# KiCad board imx8x_eps_leviathan.kicad_pcb (continued)
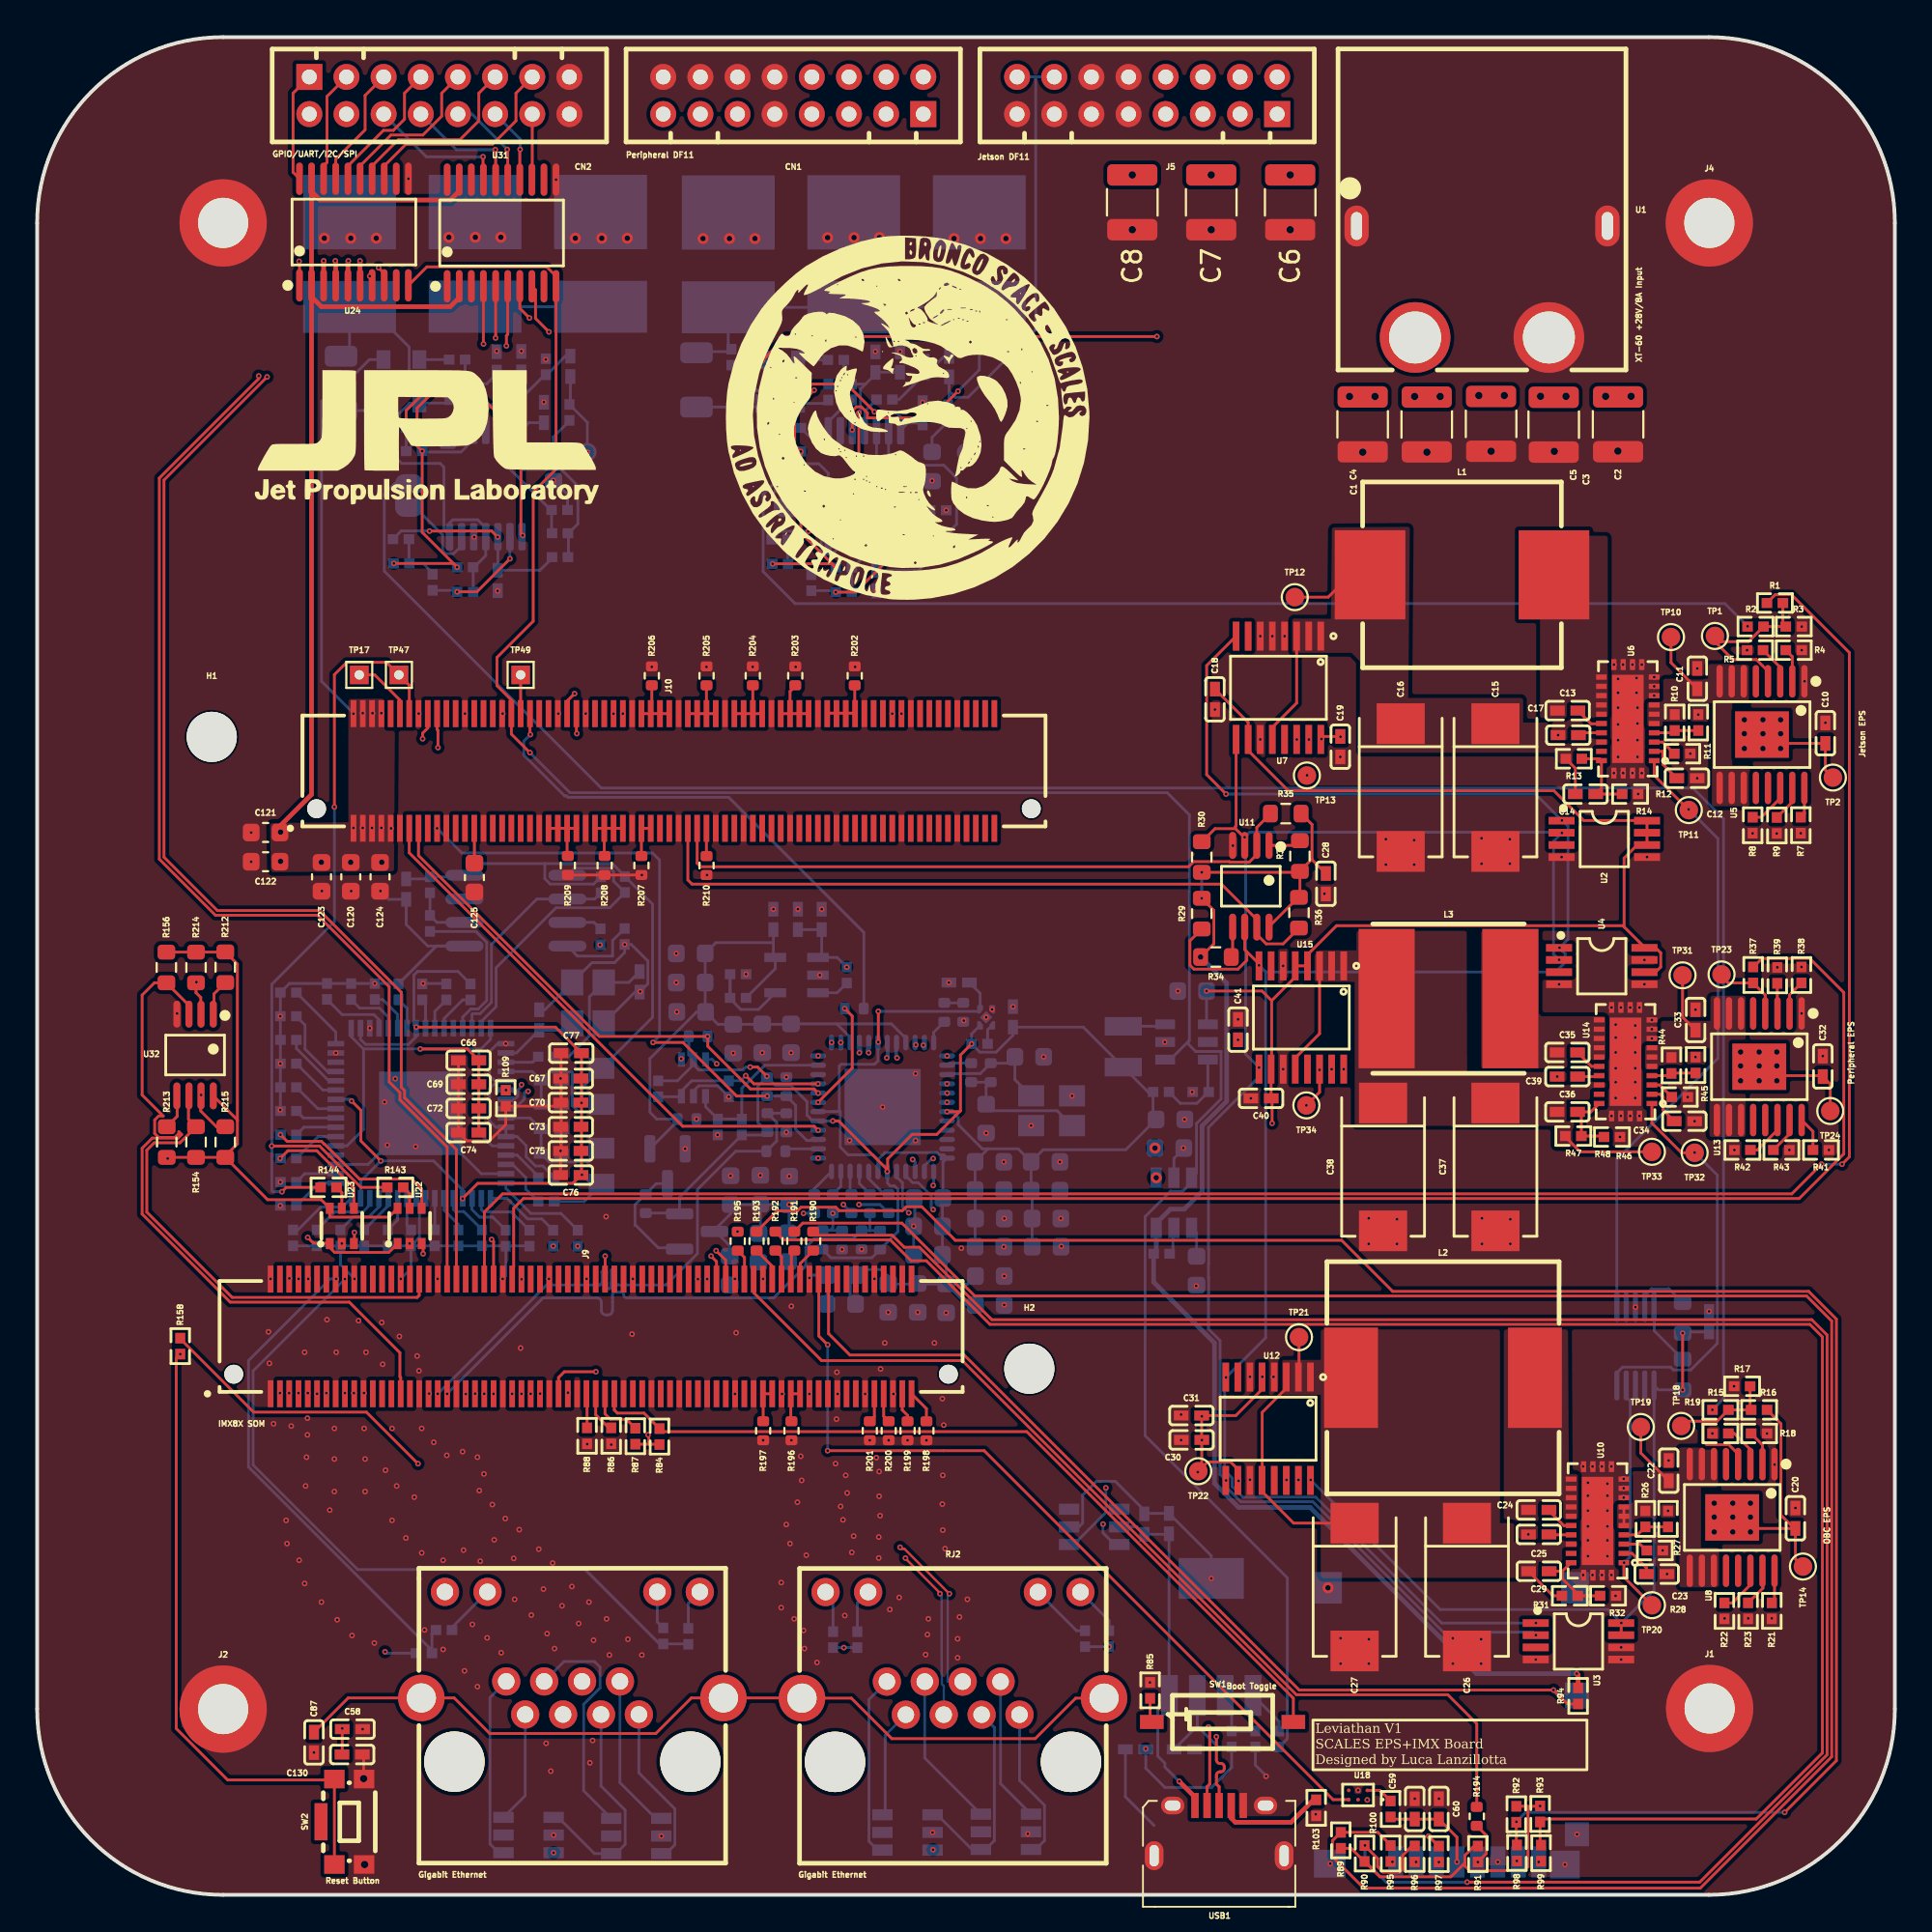
[diagram p0: board, top side]
## Routing (per net, layer and track width the routed paths; a pad name or vN(x,y) marks a point on that pad's centre or on a via; arc(x,y) is an arc through that point) (continued)
X_CONN_ENET1_RXD2: length 30.5
  GND2 w0.15: v1(24.57,26.97) 25.53,26.01 31.43,26.01 33.83,28.41 arc(33.93,28.45) 34.03,28.41 34.51,27.93 arc(34.61,27.89) 34.71,27.93 34.76,27.98 arc(34.8,28.08) 34.76,28.18 33.74,29.19 arc(33.7,29.29) 33.74,29.39 33.79,29.44 arc(33.89,29.48) 33.99,29.44 35.01,28.42 arc(35.1,28.38) 35.2,28.42 35.25,28.47 arc(35.29,28.57) 35.25,28.67 34.77,29.15 arc(34.73,29.25) 34.77,29.35 38.26,32.83 39.21,32.83 39.4,33.02 40.07,33.02 42.83,35.79 v1(42.83,36.69)
  SIG3 w0.15: 42.73,35.77 43.32,35.77 R180.1 ; 42.73,35.77 R179.2 ; 42.73,35.77 42.73,35.81 42.83,35.91 v1(42.83,36.69)
X_CONN_ENET1_RXD3: length 28.5
  GND2 w0.15: v1(41.25,36.68) 34.92,36.68 31.54,33.3 arc(31.41,33.25) 31.28,33.3 30.86,33.72 arc(30.73,33.77) 30.61,33.72 30.54,33.66 arc(30.49,33.53) 30.54,33.4 31.39,32.55 arc(31.45,32.42) 31.39,32.3 31.33,32.23 arc(31.2,32.18) 31.08,32.23 30.29,33.01 arc(30.17,33.07) 30.04,33.01 29.98,32.95 arc(29.92,32.82) 29.98,32.7 30.53,32.15 arc(30.56,32.07) 30.53,32 30.35,31.83 arc(30.28,31.8) 30.21,31.83 29.57,32.46 arc(29.44,32.52) 29.32,32.46 29.25,32.4 arc(29.2,32.27) 29.25,32.15 29.69,31.71 arc(29.74,31.58) 29.69,31.45 29.63,31.39 arc(29.5,31.34) 29.37,31.39 28.93,31.83 arc(28.81,31.88) 28.68,31.83 28.62,31.76 arc(28.56,31.64) 28.62,31.51 29.06,31.07 arc(29.11,30.94) 29.06,30.82 25.57,27.33 v1(25.57,26.97)
  SIG3 w0.15: v1(41.25,36.68) 41.26,36.69 R172.2
X_CONN_ENET1_TX_CTL: length 28.5
  GND2 w0.15: v1(42.04,39.66) 42.04,37.01 41.06,36.03 35.63,36.03 31.44,31.84 arc(31.37,31.67) 31.44,31.5 31.71,31.23 arc(31.78,31.06) 31.71,30.89 31.63,30.81 arc(31.46,30.74) 31.29,30.81 30.61,31.48 arc(30.44,31.55) 30.27,31.48 30.19,31.39 arc(30.12,31.22) 30.19,31.06 30.86,30.38 arc(30.93,30.21) 30.86,30.04 30.78,29.96 arc(30.61,29.89) 30.44,29.96 29.77,30.63 arc(29.6,30.7) 29.43,30.63 29.34,30.55 arc(29.27,30.38) 29.34,30.21 30.01,29.53 arc(30.08,29.36) 30.01,29.19 29.93,29.11 arc(29.76,29.04) 29.59,29.11 29.32,29.38 arc(29.15,29.45) 28.98,29.38 v1(26.57,26.97)
X_CONN_ENET1_TXC: length 25.9
  SIG1 w0.15: J9.78 28.07,27.85 28.38,28.16 v1(30.08,28.16)
  GND1 w0.15: v1(30.08,28.16) 38.36,28.16 v1(46.92,36.71)
  SIG3 w0.15: v1(46.92,36.71) 46.58,37.05 46.58,38.33 46.26,38.65 U25.29
X_CONN_ENET1_TXD0: length 32.8
  GND1 w0.15: v1(23.58,26.98) 24.28,26.28 38.66,26.28 47.73,35.36 47.73,36.39 v1(48.23,36.89)
  SIG3 w0.15: v1(48.23,36.89) 48.13,36.99 48.13,37.63 47.43,38.34 47.13,38.34 46.76,38.71 U25.28
X_CONN_ENET1_TXD1: length 33.5
  GND1 w0.15: v1(23.08,26.96) 23.08,32.93 25.53,35.38 42.93,35.38 v1(47.13,39.58)
  SIG3 w0.15: v1(47.13,39.58) 47.26,39.45 U25.27
X_CONN_ENET1_TXD2: length 28.4
  GND1 w0.15: v1(48.23,39.63) 47.76,39.63 43.24,35.11 32.18,35.11 28.83,31.76 28.83,27.29 v1(28.58,27.03)
  SIG3 w0.15: v1(48.23,39.63) 48.15,39.63 47.76,39.24 U25.26
X_CONN_ENET1_TXD3: length 29.6
  GND1 w0.15: v1(27.08,26.98) 27.08,26.98 27.52,26.53 28.6,26.53 29.25,27.18 29.25,31.76 31.18,33.68 42.73,33.68 47.23,38.18 v1(48.23,38.18)
  SIG3 w0.15: v1(48.23,38.18) 48.26,38.21 U25.25
X_CONN_ETH0_MDC: length 40.1
  GND1 w0.15: v1(13.58,33.18) 13.58,33.81 18.13,38.36 43.68,38.36 v1(48.98,43.66)
X_CONN_ETH0_MDIO: length 39.5
  GND1 w0.15: v1(14.08,33.16) 14.08,33.95 18.23,38.11 43.78,38.11 48.84,43.16 v1(48.98,43.16)
X_CONN_USDHC1_CD_B: length 53
  SIG1 w0.15: R94.1 82.37,10.28 v1(81.63,11.02) 67.94,11.02 49.9,29.06 43.75,29.06 42.6,30.21 42.6,33.18
  SIG3 w0.25: v1(81.63,11.02) 81.92,10.73 Card1.9
X_CONN_USDHC1_CLK: length 2.3
  SIG1 w0.15: R194.1 78,3.21 78,2.21 v1(77.56,1.76)
X_CONN_USDHC1_CMD: length 71
  SIG1 w0.15: v1(74.9,3.16) 75.44,2.62 R97.2
  PWR w0.15: v1(74.9,3.16) 75.45,3.16 83.5,11.21 83.5,12.6 62.82,33.29 52.68,33.29 52.23,32.83 44.94,32.83 44.75,33.02 41.85,33.02 41.65,32.83 38.94,32.83 37.7,34.07 v1(37.7,35.71)
X_CONN_USDHC1_DATA0: length 104.9
  SIG1 w0.15: R193.1 39.84,36.82 40.93,36.82 41.12,37.01 42.99,37.01 43.17,36.83 46.58,36.83 46.78,37.04 47.62,37.04 49.42,35.23 70.22,35.23 72.97,32.48 95.36,32.48 96.85,30.99 96.85,7.23 v1(94.07,4.44) ; R92.1 79.63,2.71 R98.2
  SIG3 w0.15: v1(94.07,4.44) 80.13,4.44 v1(79.63,3.93)
X_CONN_USDHC1_DATA1: length 99.1
  SIG1 w0.15: R192.1 40.19,35.26 45.92,35.26 47.05,34.13 47.87,34.13 51.29,30.71 95.43,30.71 96.1,30.03 96.1,7.64 92.54,4.08 81.05,4.08 80.9,3.93 ; R93.1 80.91,2.72 R99.2
X_CONN_USDHC1_DATA2: length 116.7
  SIG1 w0.15: 72.88,2.66 72.17,3.36 R89.1 69.73,2.92 69.73,2.04 71.42,0.36 89.53,0.36 96.6,7.43 96.6,30.89 95.26,32.23 50.48,32.23 46.55,36.16 41.21,36.16 R191.1
X_CONN_USDHC1_DATA3: length 113.1
  SIG1 w0.15: R190.1 41.97,35.51 46.03,35.51 46.68,34.86 47.5,34.86 51.39,30.96 95.53,30.96 96.35,30.14 96.35,7.54 89.5,0.68 v1(76.98,0.68) ; R90.1 72.16,1.95 72.16,1.52 72.46,1.22 73.36,1.22 73.51,1.37 73.51,2.12 74.02,2.63 R96.2
  SIG3 w0.15: v1(71.48,2.66) 71.48,1.83 72.62,0.68 v1(76.98,0.68)
X_CONN_USDHC1_RESET_B: length 45.3
  SIG1 w0.15: v1(42.55,23.91) 50.98,23.91 69.76,5.12 U18.A3 ; v1(42.55,29.61) 42.08,30.08 42.08,33.16
  SIG3 w0.15: v1(42.55,23.91) v1(42.55,29.61)
X_ETH0_A_TX_N: length 45.2
  SIG2 w0.124: v1(13.57,27.01) 13.48,27.1 13.48,29.11 14.27,29.9 17.83,29.9 19.64,28.09 19.64,24.84 19.83,24.65 arc(19.86,24.58) 19.83,24.51 19.41,24.09 arc(19.38,24.02) 19.41,23.95 19.44,23.91 arc(19.51,23.88) 19.58,23.91 20,24.33 arc(20.08,24.36) 20.15,24.33 20.18,24.3 arc(20.21,24.23) 20.18,24.16 19.76,23.73 arc(19.73,23.66) 19.76,23.59 19.79,23.56 arc(19.87,23.53) 19.94,23.56 20.36,23.98 arc(20.43,24.01) 20.5,23.98 21.76,22.72 arc(22.14,22.56) 22.53,22.72 22.7,22.89 arc(22.85,22.95) 23.01,22.89 23.14,22.76 arc(23.2,22.6) 23.14,22.45 22.49,21.8 arc(22.35,21.47) 22.49,21.14 22.73,20.89 arc(23.06,20.76) 23.39,20.89 arc(23.49,20.93) 23.59,20.89 32.06,12.41 32.06,12.18 RJ1.2
  SIG2 w0.15: 13.52,26.96 v1(13.57,27.01)
  SIG2 w0.2: v1(13.57,27.01) 13.54,26.98
  SIG3 w0.15: RJ1.2 31.37,6.04 33.29,4.12 TV2.1
X_ETH0_A_TX_P: length 45
  SIG2 w0.124: v1(13.07,27.01) 13.15,27.1 13.15,29.24 14.13,30.22 17.97,30.22 19.96,28.23 19.96,24.98 21.99,22.95 arc(22.14,22.89) 22.3,22.95 22.47,23.12 arc(22.85,23.28) 23.24,23.12 23.37,22.99 arc(23.53,22.6) 23.37,22.22 22.72,21.57 arc(22.68,21.47) 22.72,21.37 22.97,21.12 arc(23.06,21.08) 23.16,21.12 arc(23.49,21.26) 23.82,21.12 32.39,12.55 RJ1.1
  SIG3 w0.15: TV2.3 33.85,2.22 34.33,2.69 34.33,4.63 32.39,6.57 RJ1.1
X_ETH0_B_TX_N: length 45
  SIG2 w0.124: RJ1.6 28.69,12.89 28.69,13.84 23.76,18.77 arc(23.62,19.12) 23.76,19.47 23.86,19.56 arc(23.91,19.68) 23.86,19.8 23.74,19.92 arc(23.62,19.97) 23.5,19.92 22.38,18.8 arc(22.03,18.65) 21.68,18.8 21.56,18.92 arc(21.42,19.27) 21.56,19.62 22.12,20.17 arc(22.17,20.29) 22.12,20.41 22,20.53 arc(21.88,20.58) 21.76,20.53 21.21,19.97 arc(20.86,19.83) 20.51,19.97 20.39,20.09 arc(20.25,20.44) 20.39,20.79 20.94,21.35 arc(20.99,21.47) 20.94,21.58 18.24,24.29 18.24,27.69 17.58,28.35 14.77,28.35 14.48,28.06 14.48,27.1 v1(14.57,27.01)
  SIG3 w0.15: TV2.6 29.42,5.6 29.42,10.25 30.3,11.14 30.3,12.26 30,12.56 28.36,12.56 RJ1.6
X_ETH0_B_TX_P: length 49
  SIG2 w0.124: RJ1.3 30.35,11.77 29.32,12.81 29.1,12.81 29.01,12.9 29.01,13.98 23.99,19 arc(23.94,19.12) 23.99,19.24 24.09,19.33 arc(24.23,19.68) 24.09,20.03 23.97,20.15 arc(23.62,20.29) 23.27,20.15 22.15,19.03 arc(22.03,18.98) 21.91,19.03 21.8,19.15 arc(21.75,19.27) 21.8,19.39 22.35,19.94 arc(22.49,20.29) 22.35,20.64 22.23,20.76 arc(21.88,20.9) 21.53,20.76 20.98,20.21 arc(20.86,20.16) 20.74,20.21 20.62,20.32 arc(20.57,20.44) 20.62,20.56 21.18,21.11 arc(21.32,21.47) 21.18,21.82 20.93,22.06 arc(20.9,22.15) 20.93,22.24 21.29,22.59 arc(21.33,22.68) 21.29,22.78 21.24,22.82 arc(21.15,22.86) 21.06,22.82 20.71,22.47 arc(20.61,22.43) 20.52,22.47 18.56,24.43 18.56,27.83 17.72,28.67 14.63,28.67 14.15,28.19 14.15,27.1 v1(14.07,27.01)
  SIG3 w0.15: TV3.1 28.05,4.17 30,2.22 TV2.4 31.15,2.22 31.65,2.72 31.65,4.56 30.35,5.86 RJ1.3
X_ETH0_C_TXCLK_N: length 45
  SIG2 w0.124: RJ1.5 29.09,8.93 29.09,8.22 28.58,7.72 26.32,7.72 19.29,14.75 arc(19.28,14.79) 19.29,14.83 19.34,14.87 arc(19.45,15.15) 19.34,15.42 19.26,15.5 arc(18.99,15.61) 18.71,15.5 17.85,14.64 arc(17.81,14.62) 17.77,14.64 17.7,14.71 arc(17.68,14.75) 17.7,14.79 18.2,15.29 arc(18.31,15.57) 18.2,15.85 18.13,15.92 arc(17.85,16.03) 17.58,15.92 17.08,15.42 arc(17.03,15.4) 16.99,15.42 16.92,15.49 arc(16.9,15.53) 16.92,15.57 17.42,16.07 arc(17.53,16.35) 17.42,16.62 17.35,16.7 arc(17.07,16.81) 16.8,16.7 16.3,16.2 arc(16.25,16.18) 16.21,16.2 16.14,16.27 arc(16.12,16.31) 16.14,16.35 16.64,16.85 arc(16.75,17.13) 16.64,17.4 16.57,17.47 arc(16.29,17.59) 16.02,17.47 15.52,16.97 arc(15.47,16.96) 15.43,16.97 15.36,17.05 arc(15.34,17.09) 15.36,17.13 15.86,17.63 arc(15.97,17.91) 15.86,18.18 15.46,18.58 arc(15.48,18.62) 15.53,18.64 15.53,18.64 arc(15.81,18.75) 15.92,19.03 15.92,19.13 arc(15.81,19.4) 15.53,19.52 14.37,19.52 arc(14.32,19.54) 14.31,19.58 14.31,19.68 arc(14.32,19.72) 14.37,19.74 15.07,19.74 arc(15.35,19.86) 15.46,20.13 15.46,20.23 arc(15.35,20.51) 15.07,20.62 14.37,20.62 arc(14.32,20.64) 14.31,20.68 14.31,20.78 arc(14.32,20.83) 14.37,20.84 15.07,20.84 arc(15.35,20.96) 15.46,21.23 15.46,22.71 arc(15.49,22.77) 15.55,22.8 16.3,22.8 arc(16.36,22.82) 16.39,22.89 16.39,22.93 arc(16.36,23) 16.3,23.02 15.55,23.02 arc(15.49,23.05) 15.46,23.11 15.46,23.16 arc(15.49,23.22) 15.55,23.25 15.57,23.25 arc(15.64,23.27) 15.66,23.34 15.66,23.38 arc(15.64,23.44) 15.57,23.47 15.55,23.47 arc(15.49,23.5) 15.46,23.56 15.46,23.6 arc(15.49,23.67) 15.55,23.69 15.68,23.69 arc(15.75,23.72) 15.77,23.78 15.77,23.83 arc(15.75,23.89) 15.68,23.92 15.55,23.92 arc(15.49,23.94) 15.46,24.01 15.46,24.05 arc(15.49,24.12) 15.55,24.14 15.88,24.14 arc(15.95,24.17) 15.97,24.23 15.97,24.28 arc(15.95,24.34) 15.88,24.37 15.55,24.37 arc(15.49,24.39) 15.46,24.46 15.46,26.9 v1(15.57,27.01)
X_ETH0_C_TXCLK_P: length 54
  SIG2 w0.124: RJ1.4 29.33,8.01 28.72,7.4 ; v1(15.07,26.97) 15.14,26.9 15.14,21.23 arc(15.12,21.19) 15.07,21.17 14.37,21.17 arc(14.09,21.06) 13.98,20.78 13.98,20.68 arc(14.09,20.41) 14.37,20.29 15.07,20.29 arc(15.12,20.28) 15.14,20.23 15.14,20.13 arc(15.12,20.09) 15.07,20.07 14.37,20.07 arc(14.09,19.96) 13.98,19.68 13.98,19.58 arc(14.09,19.31) 14.37,19.19 15.53,19.19 arc(15.58,19.17) 15.59,19.13 15.59,19.03 arc(15.58,18.99) 15.53,18.97 15.53,18.97 arc(15.25,18.85) 15.14,18.58 15.14,18.44 15.63,17.95 arc(15.64,17.91) 15.63,17.86 15.13,17.36 arc(15.01,17.09) 15.13,16.81 15.2,16.74 arc(15.47,16.63) 15.75,16.74 16.25,17.24 arc(16.29,17.26) 16.34,17.24 16.41,17.17 arc(16.42,17.13) 16.41,17.09 15.91,16.59 arc(15.79,16.31) 15.91,16.03 15.98,15.96 arc(16.25,15.85) 16.53,15.96 17.03,16.46 arc(17.07,16.48) 17.11,16.46 17.19,16.39 arc(17.2,16.35) 17.19,16.31 16.69,15.81 arc(16.57,15.53) 16.69,15.26 16.76,15.18 arc(17.03,15.07) 17.31,15.18 17.81,15.68 arc(17.85,15.7) 17.89,15.68 17.96,15.61 arc(17.98,15.57) 17.96,15.53 17.46,15.03 arc(17.35,14.75) 17.46,14.48 17.54,14.4 arc(17.81,14.29) 18.09,14.4 18.95,15.26 arc(18.99,15.28) 19.03,15.26 19.1,15.19 arc(19.12,15.15) 19.1,15.11 19.06,15.07 arc(18.95,14.79) 19.06,14.52 22.74,10.84 arc(22.76,10.78) 22.74,10.71 22.3,10.27 arc(22.27,10.21) 22.3,10.15 22.33,10.11 arc(22.39,10.09) 22.46,10.11 22.9,10.55 arc(22.96,10.58) 23.02,10.55 23.06,10.52 arc(23.08,10.46) 23.06,10.4 22.62,9.96 arc(22.59,9.89) 22.62,9.83 22.65,9.8 arc(22.71,9.77) 22.77,9.8 23.21,10.24 arc(23.28,10.26) 23.34,10.24 23.37,10.21 arc(23.4,10.14) 23.37,10.08 22.93,9.64 arc(22.91,9.58) 22.93,9.51 22.96,9.48 arc(23.03,9.46) 23.09,9.48 23.53,9.92 arc(23.59,9.95) 23.66,9.92 26.18,7.4 28.72,7.4 ; v1(27.8,2.27) 28.72,3.19 28.72,7.4
X_ETH0_D_RXDV_N: length 45
  SIG2 w0.124: v1(17.05,27.01) 16.97,26.93 16.97,23.23 arc(16.99,23.18) 17.04,23.17 17.36,23.17 arc(17.64,23.05) 17.75,22.78 17.75,22.68 arc(17.64,22.4) 17.36,22.29 16.58,22.29 arc(16.54,22.27) 16.52,22.23 16.52,22.13 arc(16.54,22.08) 16.58,22.06 arc(16.86,21.95) 16.97,21.67 16.97,21.57 arc(16.86,21.3) 16.58,21.19 16.47,21.19 arc(16.43,21.17) 16.41,21.12 16.41,21.02 arc(16.43,20.98) 16.47,20.96 17.7,20.96 arc(17.97,20.85) 18.09,20.57 18.09,20.47 arc(17.97,20.2) 17.7,20.08 16.17,20.08 arc(16.13,20.06) 16.11,20.02 16.11,19.92 arc(16.13,19.88) 16.17,19.86 16.58,19.86 arc(16.86,19.74) 16.97,19.47 17.57,18.87 arc(17.69,18.6) 17.57,18.32 17.14,17.89 arc(17.12,17.84) 17.14,17.8 17.21,17.73 arc(17.25,17.71) 17.3,17.73 18.52,18.95 arc(18.79,19.06) 19.07,18.95 19.14,18.88 arc(19.25,18.6) 19.14,18.33 17.92,17.11 arc(17.9,17.06) 17.92,17.02 17.99,16.95 arc(18.03,16.93) 18.08,16.95 19.3,18.17 arc(19.57,18.28) 19.85,18.17 19.92,18.1 arc(20.03,17.82) 19.92,17.55 18.7,16.33 arc(18.68,16.28) 18.7,16.24 18.77,16.17 arc(18.81,16.15) 18.86,16.17 19.29,16.6 arc(19.56,16.72) 19.84,16.6 24.95,11.49 RJ1.8
  SIG3 w0.15: RJ1.8 24.38,10.61 24.38,2.74 24.85,2.27 TV3.4
X_ETH0_D_RXDV_P: length 45
  SIG2 w0.124: RJ1.7 25.41,10.57 24.87,10.57 24.33,11.11 24.33,11.65 19.61,16.37 arc(19.56,16.39) 19.52,16.37 19.09,15.94 arc(18.81,15.82) 18.54,15.94 18.47,16.01 arc(18.35,16.28) 18.47,16.56 19.69,17.78 arc(19.71,17.82) 19.69,17.87 19.62,17.94 arc(19.57,17.96) 19.53,17.94 18.31,16.72 arc(18.03,16.6) 17.76,16.72 17.69,16.79 arc(17.57,17.06) 17.69,17.34 18.91,18.56 arc(18.93,18.6) 18.91,18.65 18.84,18.72 arc(18.79,18.74) 18.75,18.72 17.53,17.5 arc(17.25,17.38) 16.98,17.5 16.91,17.57 arc(16.79,17.84) 16.91,18.12 17.34,18.55 arc(17.36,18.6) 17.34,18.64 16.65,19.33 16.65,19.47 arc(16.63,19.51) 16.58,19.53 16.17,19.53 arc(15.9,19.65) 15.78,19.92 15.78,20.02 arc(15.9,20.3) 16.17,20.41 17.7,20.41 arc(17.74,20.43) 17.76,20.47 17.76,20.57 arc(17.74,20.62) 17.7,20.63 16.47,20.63 arc(16.2,20.75) 16.08,21.02 16.08,21.12 arc(16.2,21.4) 16.47,21.51 16.58,21.51 arc(16.63,21.53) 16.65,21.57 16.65,21.67 arc(16.63,21.72) 16.58,21.74 arc(16.31,21.85) 16.19,22.13 16.19,22.23 arc(16.31,22.5) 16.58,22.61 17.36,22.61 arc(17.4,22.63) 17.42,22.68 17.42,22.78 arc(17.4,22.82) 17.36,22.84 17.04,22.84 arc(16.76,22.95) 16.65,23.23 16.65,23.62 arc(16.6,23.72) 16.51,23.76 16.3,23.76 arc(16.2,23.8) 16.16,23.9 16.16,23.97 arc(16.2,24.07) 16.3,24.11 16.51,24.11 arc(16.6,24.15) 16.65,24.25 16.65,24.32 arc(16.6,24.42) 16.51,24.46 16.3,24.46 arc(16.2,24.5) 16.16,24.6 16.16,24.67 arc(16.2,24.77) 16.3,24.81 16.51,24.81 arc(16.6,24.85) 16.65,24.95 16.65,26.93 v1(16.57,27.01)
  SIG3 w0.15: RJ1.7 26.27,5.34 TV3.6
X_ETH0_LED0: length 39.4
  SIG3 w0.15: v1(16.57,33.14) 11.63,28.2 11.63,23.14 17.26,17.51 29.5,17.51 33.5,13.51 R162.2 35.03,13.51
X_ETH0_LED1: length 27.7
  SIG3 w0.15: R159.1 21.25,14.04 R161.1 21.25,13.16 11.38,23.03 11.38,28.76 15.78,33.16 v1(16.1,33.16)
X_ETH1_GPIO0: length 34.5
  SIG1 w0.15: v1(39.3,43) 37.65,43 34.77,45.88 v1(33.15,45.88)
  SIG3 w0.15: R183.2 v1(39.3,43) R184.1 40.83,42.5 40.83,41.21 41.43,40.61 41.99,40.61 U25.39 ; v1(33.15,45.88) 33.5,46.23 33.5,55.71 33.13,56.08 22.86,56.08 v1(21.53,57.41)
X_ETH1_GPIO1: length 29.5
  SIG1 w0.15: v1(42.04,41.16) 41.83,41.37 34.75,41.37 20.03,56.09 J10.128
X_ETH1_PHY_INT: length 28.6
  SIG1 w0.15: J10.126 20.53,55.95 30.27,46.21 v1(36.09,46.21) 36.1,46.2 36.1,45.68 38.4,43.38 41.82,43.38 v1(42.04,43.16)
X_LSIO_GPIO1_IO17: length 61.3
  SIG1 w0.15: v1(14.1,87.93) 14.12,87.91 U24.1
  SIG2 w0.15: v1(14.1,87.93) 21.11,80.92 21.11,80.88 21.25,80.74 21.25,73.74 21.25,73.74 21.45,73.55 21.45,73.28 21.25,73.09 21.25,73.09 21.25,57.6 21.2,57.55 21.2,57.28 22.73,55.75 22.73,41.42 26.08,38.07 v1(26.08,33.13)
X_LSIO_GPIO1_IO18: length 91.2
  SIG1 w0.15: J9.87 25.57,33.75 25.65,33.83 25.65,36.96 26.18,37.48 94.85,37.48 97.25,39.88 97.25,48.58 95.42,50.41 92.85,50.41 92.38,49.93
X_LSIO_GPIO1_IO19: length 111.6
  SIG1 w0.15: R1.1 93.56,69.99 94.43,69.99 97.55,66.87 97.55,39.72 v1(97.16,39.33) ; 24.08,32.96 24.08,36.76 25.05,37.73 94.45,37.73 v1(96.05,39.33)
  SIG3 w0.15: v1(96.05,39.33) 96.06,39.33 v1(97.16,39.33)
X_LSIO_GPIO1_IO20: length 51.2
  SIG1 w0.15: J9.91 24.57,35.17 v1(24.46,35.28)
  GND2 w0.15: v1(29.62,77.66) 28.45,76.5 28.45,55.22 24.6,51.37 24.6,35.41 v1(24.46,35.28)
  SIG3 w0.15: v1(29.62,77.66) 29.62,79.26 R55.2 ; C45.1 28.7,80.2
X_LSIO_GPIO1_IO25: length 43.5
  SIG1 w0.25: U24.6 17.38,87.95 v1(17.38,87.96)
  GND1 w0.25: v1(17.38,87.96) 27.45,87.96 41.64,73.77 41.66,73.77 41.88,73.55 41.88,73.53 44.75,70.66 44.75,69.76 46.03,68.48 v1(46.03,63.58)
X_LSIO_GPIO1_IO26: length 45
  SIG1 w0.25: U24.5 16.73,87.94 v1(16.75,87.96)
  GND1 w0.25: v1(16.75,87.96) 17.2,88.41 27.6,88.41 46.53,69.48 v1(46.53,63.58)
X_LSIO_GPIO1_IO29: length 32.4
  SIG1 w0.25: U24.3 15.42,87.95 v1(15.43,87.96)
  GND1 w0.25: v1(15.43,87.96) 31.53,71.86 v1(31.53,63.58)
X_LSIO_GPIO1_IO30: length 33.7
  SIG1 w0.25: U24.4 16.07,87.94 v1(16.05,87.96)
  GND1 w0.25: v1(31.03,63.58) 31.03,70.73 15.05,86.71 15.05,88.11 15.27,88.33 15.68,88.33 v1(16.05,87.96)
X_M40_UART0_RX: length 46.6
  SIG1 w0.15: J10.121 21.53,62.73 21.58,62.68 v1(21.58,61.76) ; v1(17.08,35.66) 17.08,35.08 U23.3
  GND2 w0.15: v1(29.1,34.92) 28.31,34.92 27.58,34.18 20.38,34.18 18.9,35.66 v1(17.08,35.66) 21.43,35.66 22.09,36.32 22.09,55.9 21.2,56.78 21.2,61.38 v1(21.58,61.76)
X_M40_UART0_TX: length 38.7
  SIG1 w0.15: J10.123 21.03,62.81 20.75,62.53 v1(20.75,62.23) ; U22.3 20.78,34.98 v1(20.78,34.51)
  GND2 w0.15: v1(20.75,62.23) 21.56,62.23 22.34,61.46 22.34,36.07 v1(20.78,34.51) 21.19,34.92 v1(27.78,34.92)
X_PGOOD: length 132
  SIG1 w0.15: v1(26.53,61.48) 25.53,62.48 J10.105 25.53,64.31 24.75,65.09 24.75,66.61 26.7,68.56 26.7,75.51 27.93,76.74 U31.10 27.93,87.13 27.43,87.63 20.98,87.63 U24.10
  SIG3 w0.15: 61.97,45.94 61.97,45.79 62.36,45.4 63.73,45.4 63.73,42.84 62.41,41.52 62.41,38.87 U29.3 62.14,38.35 61.67,37.88 61.01,37.88 59.64,36.5 59.64,24.72 67.3,17.06 67.3,8.4 66.85,7.95 ; 61.97,45.94 62.03,45.99 62.03,58.13 60.83,59.33 28.68,59.33 v1(26.53,61.48) ; 61.97,45.94 60.99,44.96 U30.1
X_POR_B_1V8: length 28.7
  SIG1 w0.15: v1(26.55,62.46) 26.53,62.48 J10.101
  SIG3 w0.15: R189.2 44.5,47.72 44.5,51.81 37.23,59.08 28.58,59.08 28.5,59.16 28.39,59.16 26.2,61.35 26.2,62.11 v1(26.55,62.46)
X_POR_B_3V3: length 2.2
  SIG1 w0.15: TP49.1 26.03,63.51 26.02,63.51
~{WD_EN_JETSON}: length 60
  SIG3 w0.15: 92.1,68.28 v1(92.08,68.28) 90.85,69.51 40.8,69.51 39.08,71.23 39.08,75.39 39.65,75.96 JP2.2
~{WD_EN_OBC}: length 115.4
  SIG3 w0.15: v1(90.18,26.11) 90.78,26.71 90.78,57.93 89.13,59.58 30.36,59.58 18.69,71.25 18.69,75.41 19.26,75.98 JP1.2
~{X_nRESET_IN}: length 78
  SIG1 w0.15: SW2.1 16,6.28 ; 16.08,6.18 10.26,6.18 7.49,8.95 7.49,28.89 v1(7.7,29.11) ; J10.91 29.03,62.53 v1(29.05,62.51)
  GND1 w0.15: v1(7.7,29.11) 7.7,40.76 29.05,62.11 v1(29.05,62.51)
Net-(C45-Pad2): length 4.1
  SIG3 w0.15: C45.2 28.43,82.83 27.38,81.78 ; R57.2 26.01,80.51 27.38,81.88
Net-(C53-Pad2): length 4.1
  SIG3 w0.15: C53.2 48.82,82.81 47.77,81.76 ; R75.2 46.4,80.49 47.77,81.86
Net-(C89-Pad2): length 7.4
  SIG3 w0.15: Y3.3 54.91,42.21 51.43,42.21 C89.2 51.08,43.5 R168.2 R175.1
Net-(Card1-CD/DAT3):
  vias: v1(74.23,1.77)
Net-(Card1-CMD):
  vias: v1(75.46,1.76)
Net-(Card1-DAT0):
  vias: v1(79.66,1.82)
Net-(Card1-DAT1):
  vias: v1(80.83,1.77)
Net-(Card1-DAT2):
  vias: v1(72.96,1.77)
Net-(Card1-VDD): length 5.4
  SIG1 w0.15: v1(76.43,1.77) 76.43,3.1 C60.2 C59.2 72.98,4.07 R100.1
Net-(D4-C): length 2.5
  SIG3 w0.15: R49.1 18.24,79.9 18.64,80.31
Net-(D5-A): length 2
  SIG3 w0.15: D5.2 27.79,78.48 28.65,79.34
Net-(D6-A): length 1.6
  SIG3 w0.15: R62.2 20.63,82.64 20.57,82.59
Net-(D6-C): length 18.9
  SIG3 w0.15: U16.11 24.15,72.1 23.47,71.42 R64.2 ; U16.14 22.2,73.84 22.38,74.02 23.72,74.02 24.18,73.56 24.18,73.11 ; 22.2,73.19 21.9,73.5 21.9,76.85 21.69,77.05 19.62,77.05 19.09,77.59 19.09,79.34 20.05,80.3 D6.1 22.05,80.3 22.2,80.46
Net-(D7-C): length 3.6
  SIG3 w0.15: R66.1 38.86,80.09 39.05,80.28
Net-(D8-A): length 2
  SIG3 w0.15: 49.04,79.32 48.17,78.46 D8.2
Net-(D9-A): length 1.6
  SIG3 w0.15: 40.96,82.57 41.01,82.62 R80.2
Net-(D9-C): length 19